# Allegro board 2522-mb-pro_vc.brd
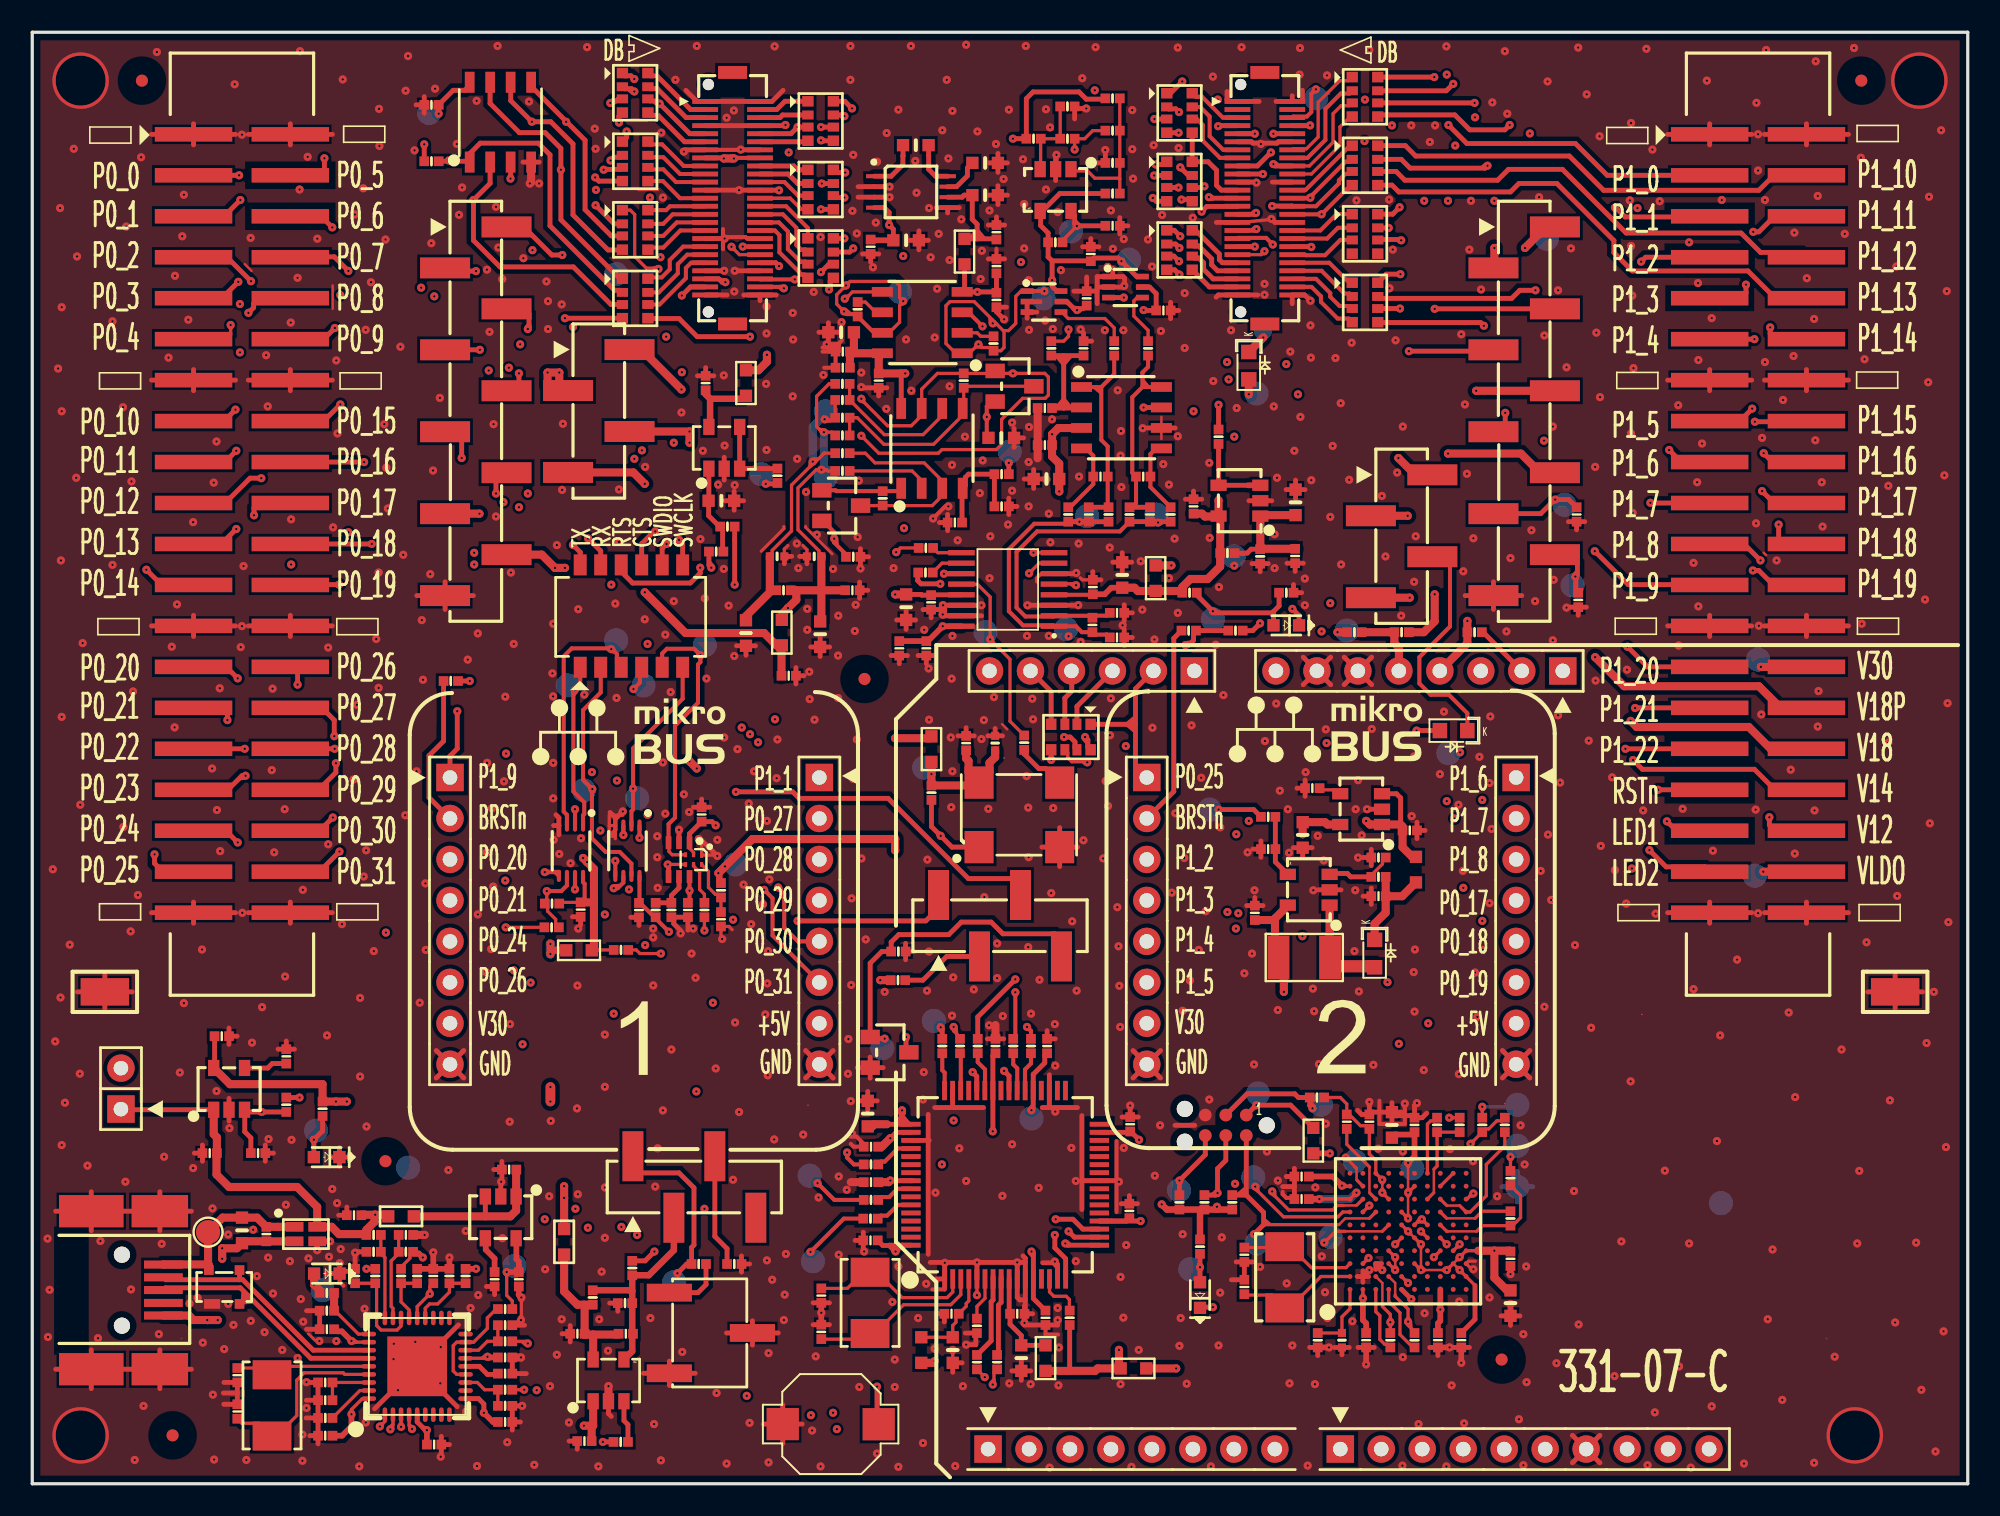
[diagram p0: board, top side]
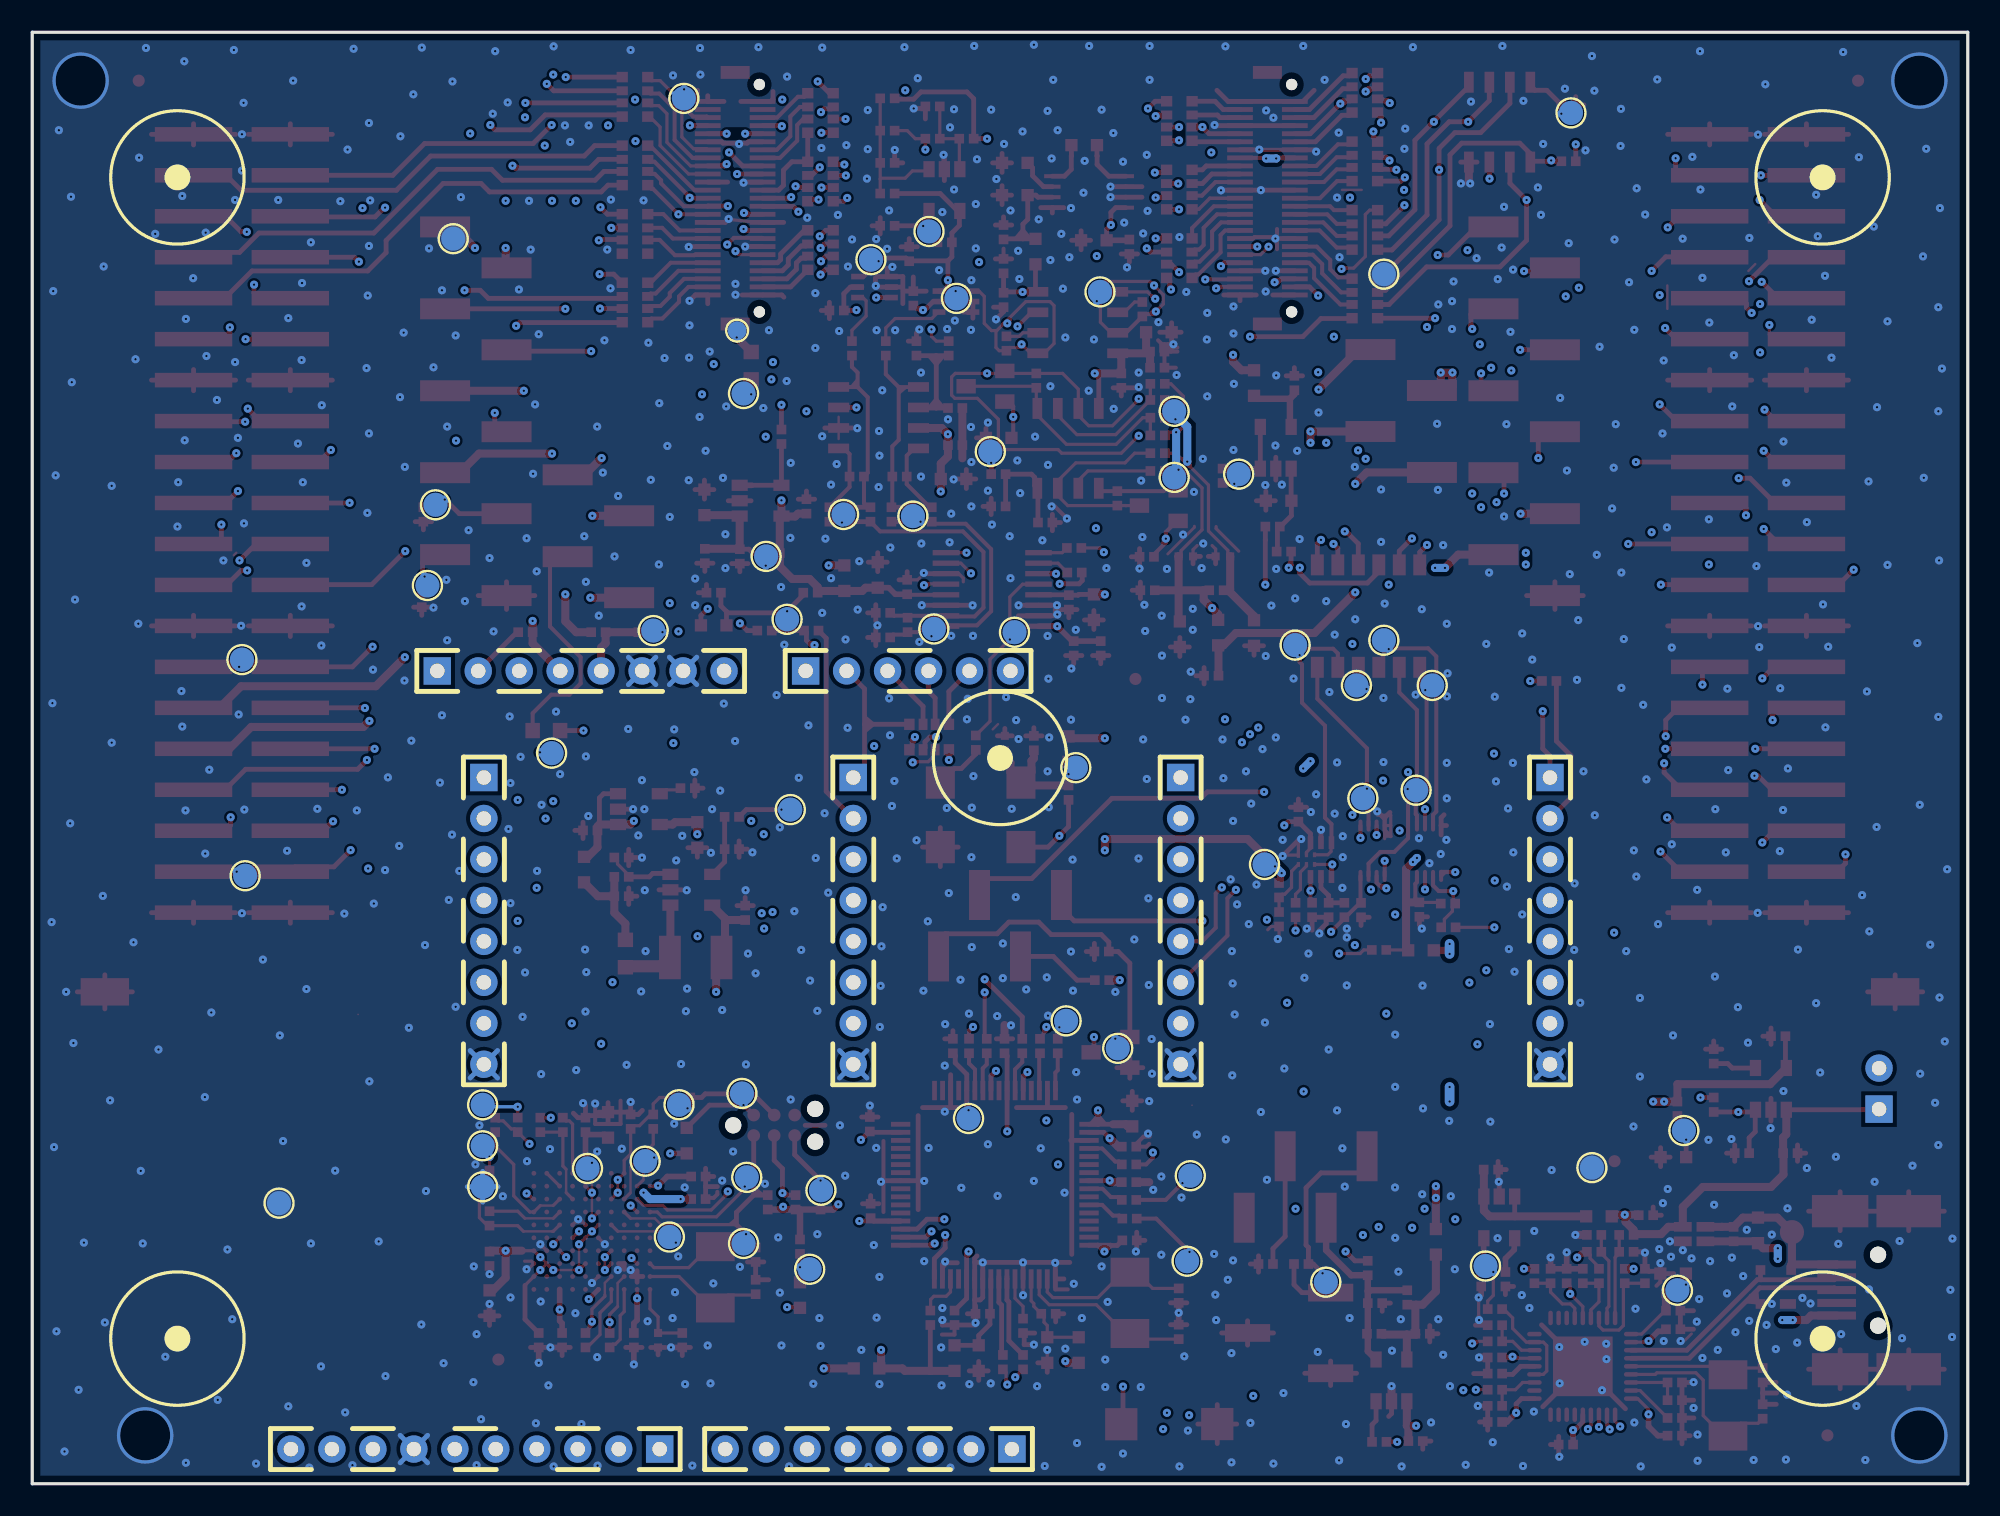
[diagram p1: board, bottom side, seen from below]

Outline 120 x 90 mm; copper layers: TOP, L2_INT1, L3_INT2, L4_INT3, L5_INT4, BOTTOM. Coordinates in mm from the lower left corner of the outline.
Outline path: 0,90 0,0 120,0 120,90 0,90

## Design rules (mm)
net group DFSDP: nets DFSDP USBDP_1
net group N17842748: nets N17842748 N17956873
net group PA4: nets N17073961 PA4 T_RESET

## Placement (name value [footprint] x y rotation side)
C1  100nF  [C1005]  41.75 68.25 270 top
C3  1.0nF  [C1005]  41.5 41.5 270 top
C4  100nF  [C1005]  40.65 35.58 90 top
C6  100nF  [C1005]  85.7 22.25 270 top
C7  100nF  [C1005]  78.7 19.05 0 top
C8  100nF  [C1005]  87.15 8.9 90 top
C9  100nF  [C1005]  82.7 8.9 90 top
C10  100nF  [C1005]  82.9 22.45 270 top
C11  100nF  [C1005]  88.6 8.9 90 top
C12  100nF  [C1005]  78.7 17.65 0 top
C13  100nF  [C1005]  91.65 13.95 90 top
C14  10uF  [C1608]  91.65 11.2 90 top
C15  10uF  [C1608]  84.3 22.25 270 top
C16  10nF  [C1005]  81.5 22.45 90 top
C17  18pF  [C1005]  75.15 12.2 90 top
C18  18pF  [C1005]  75.15 14.2 270 top
C19  10pF  [Z1005]  81.2 8.9 90 top
C20  1.0uF  [C1005]  34.23 2.65 180 top
C21  1.0uF  [C1005]  33.8 9.3 0 top
C22  100pF  [C1005]  68.88 62.45 180 top
C23  100nF  [C1005]  52.48 68.4 90 top
C24  10uF  [C1608]  50.15 71.4 180 top
C25  10pF  [Z1005]  46.18 57.5 0 top
C26  10uF  [C1608]  62.88 62.3 180 top
C27  100nF  [C1005]  62.78 64.4 0 top
C28  10pF  [Z1005]  48.48 57.5 0 top
C29  100pF  [C1005]  65.18 70.4 270 top
C30  100pF  [C1005]  66.23 62.45 0 top
C31  10uF  [C1608]  67.58 56.35 90 top
C32  100nF  [C1005]  65.75 55.6 270 top
C33  10uF  [C1608]  54.18 54.35 270 top
C34  100nF  [C1005]  55.73 54.65 90 top
C35  100pF  [C1005]  67.25 52.48 0 top
C36  10pF  [Z1005]  59.7 45.92 270 top
C37  1.0nF  [C1005]  65.73 53.25 90 top
C38  100nF  [C1005]  72 60.6 270 top
C39  100pF  [C1005]  67.25 54 180 top
C40  100nF  [C1005]  57.9 45.92 270 top
C41  100pF  [C1005]  78.3 57.52 90 top
C43  100nF  [C1005]  55.43 51.8 90 top
C44  4.7uF  [C1608]  78.33 60.85 90 top
C45  10uF  [C1608]  61.32 7.79 270 top
C46  100nF  [C1005]  61.07 10.54 180 top
C47  100nF  [C1005]  62.92 27.14 90 top
C48  100nF  [C1005]  62.82 10.29 90 top
C49  100nF  [C1005]  51.97 15.09 0 top
C50  100nF  [C1005]  59.72 27.14 90 top
C51  100nF  [C1005]  68.07 22.29 270 top
C52  100nF  [C1005]  68.02 16.91 270 top
C53  100nF  [C1005]  52 18.7 0 top
C54  10uF  [C1608]  57.07 8.29 270 top
C55  100nF  [C1005]  56.99 10.54 0 top
C56  100nF  [C1005]  19.95 16.65 180 top
C57  4.7uF  [C1608]  13.01 15.71 270 top
C58  100nF  [C1005]  29.32 6.83 180 top
C59  100nF  [C1005]  23.16 15.43 180 top
C60  100nF  [C1005]  52 20.9 0 top
C61  4.7uF  [C1608]  51.8 22.95 90 top
C62  100nF  [C1005]  14.52 15.48 270 top
C63  18pF  [C1005]  12.71 6.73 270 top
C64  18pF  [C1005]  12.71 4.48 90 top
C65  1.0uF  [C1005]  18.16 5.18 180 top
C66  100nF  [C1005]  18.16 6.28 180 top
C67  18pF  [C1005]  48.92 11.66 90 top
C68  100nF  [C1005]  18.16 2.98 180 top
C69  100nF  [C1005]  18.27 9.58 180 top
C70  100nF  [C1005]  24.86 12.88 90 top
C71  100nF  [C1005]  29.32 7.83 180 top
C72  100nF  [C1005]  29.32 3.83 180 top
C73  100nF  [C1005]  24.91 2.43 180 top
C74  18pF  [C1005]  48.92 9.41 90 top
C75  1.0uF  [C1005]  29.57 19.48 0 top
C76  22nF  [C1005]  28.66 12.68 90 top
C77  1.0uF  [C1005]  30.16 12.68 90 top
C78  22nF  [C1005]  15.75 26.5 270 top
C79  1.0uF  [C1005]  11 20.5 180 top
C80  1.0uF  [C1005]  11.75 27.75 180 top
C84  1.0nF  [C1005]  53.76 51.8 90 top
C85  1.0uF  [C1005]  75.8 35.4 270 top
C86  4.7uF  [C1608]  78.77 40.23 270 top
C87  1.0uF  [C1005]  85.41 40.51 180 top
C88  NP  [C1005]  79.36 43.13 180 top
C89  1.0uF  [C1005]  83.47 36.43 0 top
C91  100nF  [C1005]  70.13 72.75 180 top
C92  100nF  [C1005]  24.75 85.5 0 top
C93  100nF  [C1005]  50.25 69.2 0 top
C95  1.0uF  [C1005]  50.25 70.2 180 top
C96  100nF  [C1005]  65.38 73.5 270 top
C97  100nF  [C1005]  66.98 78 180 top
C98  10nF  [C1005]  65.63 76.25 90 top
C99  1.0nF  [C1005]  62.78 66.7 0 top
C102  100nF  [C1005]  95.75 60.1 90 top
C103  100nF  [C1005]  95.85 54.8 270 top
C104  NP  [C1005]  14 20.5 180 top
C105  100nF  [C1005]  76.62 39.35 0 top
C106  10uF  [C1608]  44.25 52.75 90 top
C107  1.0uF  [C1005]  59.78 75.5 90 top
C108  100nF  [C1005]  59.78 73.4 90 top
C109  4.7uF  [C1608]  54.78 83 0 top
C110  4.7uF  [C1608]  59.08 81.9 0 top
C111  10uF  [C1608]  59.08 79.9 0 top
C112  100nF  [C1005]  59.78 77.6 270 top
C113  10uF  [C1608]  54.18 77.1 0 top
C114  100nF  [C1005]  51.98 76.7 90 top
C115  10nF  [C1005]  36.8 9.3 0 top
C116  1.0nF  [C1005]  37.62 35.57 270 top
C117  100nF  [C1005]  34 35.6 90 top
C118  100nF  [C1005]  57.2 59.6 0 top
C119  NP  [C1005]  69.3 60.1 90 top
C120  NP  [C1005]  65.5 60.1 90 top
C121  1.0uF  [C1005]  46.9 50.1 0 top
C122  1.0uF  [C1005]  50.85 55.4 0 top
C123  NP  [C1005]  42.7 35 270 top
D1  Led_Blue  [LED1608]  77.75 53.23 180 top
D2  Led_Green  [LED1608]  72.4 11.7 90 top
D3  RB531SM-30  [SOD-523]  88.12 46.7 180 top
D4  Led_Green  [LED1608]  18.27 13.03 180 top
D5  Led_Green  [LED1608]  18.25 20.25 180 top
D7  PRTR5V0U2X,215  [SOT143]  11.9 12.2 0 top
D8  RB531SM-30  [SOD-523]  83.22 32.88 270 top
D9  NP  [SOD-523]  75.42 69.33 270 top
J1  10132797-055100LF  [10132797-05XX]  43.42 79.71 90 top
J2  10132797-055100LF  [10132797-05XX]  76.42 79.71 90 top
J3  -  [3020-40-0300-00]  13 59.5 270 top
J4  -  [3020-40-0300-00]  107 59.5 270 top
J5  87898-0455  [87898-04XX]  41.05 18.4 0 top
J6  NP  [HDR_254_1X02]  5.5 24.5 90 top
J7  TagConnect  [TC2030-IDC-NL]  74 22.23 180 top
J8  87898-0455  [87898-04XX]  60 34.6 0 top
J9  87898-0455  [87898-04XX]  35.12 66.52 270 top
J10  87898-0455  [87898-04XX]  84.9 58.75 270 top
J11  NP  [SCK_254_1X08]  86 50.4 180 top
J12  NP  [SCK_254_1X10]  92.53 2.15 0 top
J13  NP  [SCK_254_1X06]  65.7 50.4 180 top
J14  NP  [SCK_254_1X08]  68.15 2.15 0 top
J15  NP  [SCK_254_1X08]  25.9 34.9 270 top
J16  NP  [SCK_254_1X08]  48.8 34.9 270 top
J17  NP  [SCK_254_1X08]  69.1 34.9 270 top
J18  NP  [SCK_254_1X08]  92 34.9 270 top
J19  NP  [HDR_254_1X10_S]  27.5 66.5 270 top
J20  NP  [HDR_254_1X10_S]  92.5 66.5 270 top
JS1  SPC02SYAN  [JMP_254_S_K]  57.45 34.6 0 top
JS2  SPC02SYAN  [JMP_254_S_K]  62.55 34.6 0 top
JS3  SPC02SYAN  [JMP_254_S_K]  35.2 69.1 270 top
JS4  SPC02SYAN  [JMP_254_S_K]  35.1 64 270 top
JS5  SPC02SYAN  [JMP_254_S_KR]  41.05 18.43 180 top
JS6  SPC02SYAN  [JMP_254_S_K]  84.9 56.2 270 top
K1  -  [SKPMAPE010]  49.5 3.7 180 top
L1  SRF2012-900YA  [SRF2012]  16.96 15.48 0 top
L2  4.7uH  [L3225]  78.86 32.63 0 top
LP1  500mA_470 OHM  [L1608]  68.28 7.15 0 top
LP2  500mA_470 OHM  [L1608]  79.42 21.27 270 top
LP3  500mA_470 OHM  [L1608]  57.8 76.4 90 top
LP4  500mA_470 OHM  [L1608]  46.48 52.77 270 top
LP5  500mA_470 OHM  [L1608]  32.98 15 270 top
LP6  500mA_470 OHM  [L1608]  62.82 7.79 90 top
LP7  500mA_470 OHM  [L1608]  55.12 8.29 90 top
LP8  500mA_470 OHM  [L1608]  22.86 16.58 180 top
LP9  500mA_470 OHM  [L1608]  33.9 33.08 0 top
LP10  500mA_470 OHM  [L1608]  55.75 45.55 270 top
LP11  500mA_470 OHM  [L1608]  44.25 68.25 90 top
LP12  500mA_470 OHM  [L1608]  69.65 56.15 90 top
LP13  500mA_470 OHM  [L1608]  85.79 38.08 90 top
NOREF  -  []  0 90 0 top
NOREF#2  -  []  0 0 90 top
NOREF#3  -  []  12 14.5 0 top
Q1  FDV301N  [SOT95P237X112-3N]  50.16 60.65 270 top
Q2  FDV301N  [SOT95P237X112-3N]  60.9 68.05 270 top
Q3  FDV301N  [SOT95P237X112-3N]  53.15 26.75 270 top
R1  1.0 Mohm  [R1005]  36.5 33.1 0 top
R3  100.0k  [R1005]  42.4 57.8 0 top
R4  0  [R1005]  38.65 35.58 90 top
R7  1.00k  [R1005]  53.67 31.23 0 top
R8  150  [R1005]  87.1 22.25 90 top
R9  150  [R1005]  88.5 22.25 270 top
R10  10.0k  [R1005]  74.4 17.45 90 top
R11  10.0k  [R1005]  72.67 17.45 90 top
R12  10.0k  [R1005]  79.65 23.95 180 top
R13  100.0k  [R1005]  71.12 17.45 90 top
R14  150  [R1005]  91.65 16.45 90 top
R15  100  [R1005]  91.65 18.95 270 top
R16  150  [R1005]  91.3 22.25 270 top
R17  100  [R1005]  89.9 22.25 270 top
R18  330  [R1005]  72.4 14.7 270 top
R19  39  [R1005]  85.7 8.9 90 top
R20  39  [R1005]  84.2 8.9 90 top
R21  6.8k  [R1005]  79.7 8.9 270 top
R23  12.0k  [R1005]  34.75 11.55 90 top
R24  0  [R1005]  36.48 2.6 180 top
R25  9.53k  [R1005]  36.75 11.2 180 top
R26  4.75K  [R1005]  68.03 60.1 90 top
R27  4.75K  [R1005]  50.23 63.9 0 top
R28  2.37  [R1005]  46.58 55.4 180 top
R29  4.75K  [R1005]  69.18 70.4 90 top
R30  4.75K  [R1005]  50.23 62.8 0 top
R31  51  [R1005]  70.58 60.1 270 top
R33  20K  [R1005]  50.9 57.48 0 top
R34  51  [R1005]  64.23 60.1 270 top
R35  4.75K  [R1005]  66.73 60.1 90 top
R36  4.75K  [R1005]  67.08 70.4 90 top
R37  100.0k  [R1005]  41.67 35.58 90 top
R38  100.0k  [R1005]  42.7 36.8 270 top
R39  1.00k  [R1005]  55.41 58.02 0 top
R40  51  [R1005]  55.38 56.5 180 top
R44  51  [R1005]  61.5 45.95 90 top
R46  10.0k  [R1005]  29.32 10.83 180 top
R47  100.0k  [R1005]  21.16 15.43 0 top
R48  100.0k  [R1005]  23.16 14.38 180 top
R49  100.0k  [R1005]  29.32 9.83 0 top
R50  100.0k  [R1005]  29.32 4.83 0 top
R51  100.0k  [R1005]  21.16 14.38 180 top
R52  33  [R1005]  58.57 7.54 90 top
R53  33  [R1005]  59.82 7.54 90 top
R54  12.0k  [R1005]  18.16 4.08 180 top
R55  330  [R1005]  18.27 11.83 180 top
R56  100.0k  [R1005]  18.27 10.73 180 top
R57  12.0k  [R1005]  58.57 9.79 90 top
R58  10.0k  [R1005]  20.02 12.88 90 top
R59  NP  [R1005]  21.27 12.88 90 top
R60  10.0k  [R1005]  23.86 12.88 90 top
R61  51  [R1005]  61.92 27.14 90 top
R62  NP  [R1005]  22.86 12.88 90 top
R63  51  [R1005]  60.82 27.14 90 top
R64  NP  [R1005]  25.86 12.88 90 top
R65  1.00k  [R1005]  64.32 10.29 90 top
R66  10.0k  [R1005]  26.86 12.88 90 top
R67  51  [R1005]  58.62 27.14 90 top
R68  51  [R1005]  52 19.8 180 top
R70  330  [R1005]  18 23.25 90 top
R71  10.0k  [R1005]  15.75 23.5 90 top
R72  33  [R1005]  46.2 62.5 90 top
R77  NP  [R1005]  55.75 42.85 270 top
R78  10.0k  [R1005]  74.1 57.7 0 top
R79  33  [R1005]  73.55 64.92 270 top
R80  10.0k  [R1005]  76.13 57.5 270 top
R81  NP  [R1005]  57.52 27.14 90 top
R82  51  [R1005]  56.42 27.14 90 top
R83  38.3k  [R1005]  83.47 37.63 0 top
R84  10.0k  [R1005]  83.47 38.83 180 top
R85  0  [R1005]  76.62 41.35 0 top
R92  NP  [R1005]  24.75 82 180 top
R93  8.06k  [R1005]  43.52 13.62 180 top
R95  0  [R1005]  63.18 70.4 90 top
R109  4.75K  [R1005]  50.23 66.1 0 top
R111  4.75K  [R1005]  50.23 68.2 0 top
R112  Mohm: 10M  [R1608]  60.08 64.85 0 top
R114  51  [R1005]  51.97 16.44 180 top
R115  Mohm: 1.0M  [R1005]  66.98 81.9 0 top
R116  Mohm: 1.0M  [R1005]  66.98 80 180 top
R117  100.0k  [R1005]  66.98 83.9 0 top
R118  10.0k  [R1005]  63.43 76.97 180 top
R119  100.0k  [R1005]  62.08 83.4 0 top
R120  100.0k  [R1005]  53.7 33 0 top
R121  3.9k  [R1005]  41.33 13.62 0 top
R124  NP  [R1005]  29.32 5.83 0 top
R127  100.0k  [TRIM_84W]  42 9.35 0 top
R129  1.00k  [R1005]  29.32 8.83 0 top
R135  1.00k  [R1005]  71.75 55.25 180 top
R136  NP  [R1005]  77.75 55.25 180 top
R137  NP  [R1005]  64.18 83.4 180 top
R138  NP  [R1005]  66.98 85.9 180 top
R139  NP  [R1005]  64.18 85.4 180 top
R141  NP  [R1005]  50.23 65 0 top
R142  NP  [R1005]  50.23 67.2 0 top
R143  0  [R1005]  89.42 52.8 180 top
R144  0  [R1005]  74.6 52.9 0 top
R145  0  [R1005]  25.95 49.77 180 top
R146  0  [R1005]  71.7 52.9 180 top
R147  NP  [R1005]  43.1 59.35 180 top
R148  NP  [R1608]  42.73 60.95 0 top
R149  NP  [R1005]  39.62 35.58 270 top
R150  NP  [R1005]  60.1 60.6 0 top
R151  0  [R1005]  60.1 62.6 0 top
R152  51  [R1005]  52 17.6 180 top
R305  0  [R1005]  84.9 52.8 180 top
R306  174K  [R1608]  48.85 52.67 270 top
R307  NP  [R1005]  81.97 52.8 0 top
R308  1.00k  [R1005]  32.2 34.5 0 top
R309  NP  [R1005]  32.23 35.98 180 top
R310  NP  [R1005]  52.73 61.1 90 top
R311  NP  [R1005]  57.75 68.4 90 top
R312  0  [R1005]  51.17 72.83 270 top
R313  0  [R1005]  59.6 70.7 270 top
R314  NP  [R1005]  37.2 13.38 90 top
RN1  33  [RN_MNR14]  37.38 86.25 270 top
RN2  33  [RN_MNR14]  37.38 82 270 top
RN3  33  [RN_MNR14]  48.88 84.5 270 top
RN4  33  [RN_MNR14]  48.88 80.25 270 top
RN5  33  [RN_MNR14]  71.13 85 270 top
RN6  33  [RN_MNR14]  71.13 76.5 270 top
RN7  33  [RN_MNR14]  82.63 86 270 top
RN8  33  [RN_MNR14]  82.63 81.75 270 top
RN9  33  [RN_MNR14]  71.13 80.75 270 top
RN10  33  [RN_MNR14]  37.38 77.75 270 top
RN11  33  [RN_MNR14]  48.88 76 270 top
RN12  33  [RN_MNR14]  82.63 77.5 270 top
RN13  33  [RN_MNR14]  37.38 73.5 270 top
RN14  33  [RN_MNR14]  64.4 46.3 180 top
RN15  33  [RN_MNR14]  82.63 73.25 270 top
S1  97C06SRT  [SW_DIP_97C06SRT]  37.15 53.8 0 top
T1  SJ61A1  [3M_SJ61A1]  9 81 180 bottom
T2  SJ61A1  [3M_SJ61A1]  111 81 180 bottom
T3  SJ61A1  [3M_SJ61A1]  111 9 180 bottom
T4  SJ61A1  [3M_SJ61A1]  9 9 180 bottom
T5  SJ61A1  [3M_SJ61A1]  60 45 180 bottom
TP1  VDD_CR  [TP_BOT_SM]  85.58 19.55 180 bottom
TP2  T_RESET  [TP_BOT_SM]  87.8 45.3 180 bottom
TP3  sERASE  [TP_BOT_SM]  80.5 15.3 180 bottom
TP4  sVCC  [TP_BOT_SM]  76 24.2 180 bottom
TP5  sRST  [TP_BOT_SM]  79.9 23.5 180 bottom
TP6  sDIO  [TP_BOT_SM]  75.9 14.9 180 bottom
TP7  sCLK  [TP_BOT_SM]  75.7 19 180 bottom
TP8  sTDI  [TP_BOT_SM]  82 20 180 bottom
TP9  DBLED  [TP_BOT_SM]  71.8 13.3 180 bottom
TP10  sTDO  [TP_BOT_SM]  71.1 18.2 180 bottom
TP11  VFB  [TP_BOT_SM]  39.8 12.5 180 bottom
TP12  VBAT  [TP_BOT_SM]  106.8 37.7 180 bottom
TP13  VINN  [TP_BOT_SM]  69.7 60.1 180 bottom
TP14  VINP  [TP_BOT_SM]  65.4 60 180 bottom
TP15  5.0VA  [TP_BOT_SM]  64.4 77.65 180 bottom
TP16  VREF  [TP_BOT_SM]  64.1 53 180 bottom
TP17  27MHz  [TP_BOT_SM]  59.1 52.8 180 bottom
TP18  VREG  [TP_BOT_SM]  61.95 22.65 180 bottom
TP19  VBUS2  [TP_BOT_SM]  81.5 52.9 180 bottom
TP20  PWR_EN  [TP_BOT_SM]  73 41.8 180 bottom
TP23  +3V3  [TP_BOT_SM]  29.9 13.5 180 bottom
TP24  GND  [TP_BOT_SM]  23.3 19.6 180 bottom
TP25  GND  [TP_BOT_SM]  104.7 17.4 180 bottom
TP26  GND  [TP_BOT_SM]  93.9 77.2 180 bottom
TP27  GND  [TP_BOT_SM]  36.2 75 180 bottom
TP28  TP_RCW-0C  [TP3216]  4.5 30.5 0 top
TP29  TP_RCW-0C  [TP3216]  115.5 30.5 0 top
TP30  RSTn  [TP_BOT_SM]  79.6 85.9 180 bottom
TP31  V12  [TP_BOT_SM]  95.5 55.7 180 bottom
TP32  V14  [TP_BOT_SM]  95 60.7 180 bottom
TP36  USBLED  [TP_BOT_SM]  18 12 180 bottom
TP37  6.0V  [TP_BOT_SM]  75.9 67.6 180 bottom
TP38  3.3V  [TP_BOT_SM]  43.6 38.4 180 bottom
TP39  5.0V  [TP_BOT_SM]  74.5 57.5 180 bottom
TP40  3.3VA  [TP_BOT_SM]  55.3 44.4 180 bottom
TP41  PWRLED  [TP_BOT_SM]  17.6 21.9 180 bottom
TP42  VOUT  [TP_BOT_SM]  53.8 73.9 180 bottom
TP44  VDDIO  [TP_BOT_SM]  45.2 62.6 180 bottom
TP45  FIDUCIAL  [FID_750]  6.8 87 0 top
TP46  FIDUCIAL  [FID_750]  91.1 7.7 0 top
TP47  FIDUCIAL  [FID_750]  51.6 49.9 0 top
TP48  UTX  [TP_BOT_SM]  33.2 49.5 180 bottom
TP49  SWDIO  [TP_BOT_SM]  41.7 52 180 bottom
TP50  URX  [TP_BOT_SM]  34.2 43 180 bottom
TP51  URTS  [TP_BOT_SM]  36.2 52.3 180 bottom
TP52  UCTS  [TP_BOT_SM]  37.9 49.5 180 bottom
TP54  SWCLK  [TP_BOT_SM]  37.5 42.5 180 bottom
TP56  C_TRIG  [TP_BOT_SM]  52.7 27 180 bottom
TP57  V30  [TP_BOT_SM]  107 51.1 180 bottom
TP58  OSC_EN  [TP_BOT_SM]  55.9 28.7 180 bottom
TP59  BCBUS7  [TP_BOT_SM]  48.4 13.8 180 bottom
TP60  VOUT2  [TP_BOT_SM]  62.7 73.5 180 bottom
TP61  SEL  [TP_BOT_SM]  68 75.9 180 bottom
TP62  VS+  [TP_BOT_SM]  49.2 66.5 180 bottom
TP63  VS-  [TP_BOT_SM]  49.2 62.4 180 bottom
TP64  BCBUS5  [TP_BOT_SM]  48.2 19.1 180 bottom
TP65  -  [ESD_WARNING_LABEL]  99.8 29.1 0 top
TP66  VLED  [TP_1150U]  76.3 71.5 180 bottom
TP67  MikroBUS_LOGO  [MIKROBUS]  37.3 34.9 0 top
TP68  MikroBUS_LOGO  [MIKROBUS]  80.5 35 0 top
TP69  BLED  [TP_BOT_SM]  73.2 53.6 180 bottom
TP70  -Vgg  [TP_BOT_SM]  60.6 64 180 bottom
TP71  FIDUCIAL  [FID_750]  113.4 87 0 top
TP72  FIDUCIAL  [FID_750]  8.7 3 0 top
TP73  FIDUCIAL  [FID_750]  21.9 20 0 top
TP74  VBUS1  [TP_BOT_SM]  10.9 15.6 0 top
TP75  V18R  [TP_BOT_SM]  24.6 85 180 bottom
TP76  SWDIO  [TP_BOT_SM]  92.08 20.95 180 bottom
TP77  SWCLK  [TP_BOT_SM]  92.08 23.5 180 bottom
TP78  GND  [TP_BOT_SM]  92.08 18.41 180 bottom
U1  LMV321AS5X  [SOT95P280X110-5N]  42.95 64.25 90 top
U2  NP.APS6404L-SQ-SN  [SOIC127P600X175-8N]  29.02 84.42 90 top
U3  LSF0101DRYR  [SON50P150X105X60-6N]  41 38.7 270 top
U4  ATSAM3U2CA-CU  [TFBGA100]  85.3 15.65 90 top
U5  AP2127K-ADJTRG1  [SOT95P280X145-5N]  35.77 6.42 90 top
U6  AD8572ARZ-REEL7  [SOIC127P600X175-8N]  55.78 64.2 90 top
U7  THS4521ID  [SOIC127P600X175-8N]  67.53 66.1 0 top
U8  ADS1271IPWR  [SOP65P640X120-16N]  60.48 55.45 180 top
U9  AD8572ARZ-REEL7  [SOIC127P600X175-8N]  55.18 72 180 top
U10  LMV321AS5X  [SOT95P280X110-5N]  74.83 61 180 top
U11  USB2512B-AEZG  [QFN50P600X600X100-37N]  23.86 7.28 90 top
U12  FT2232HL  [QFP50P1200X1200X160-64N]  60.32 18.54 90 top
U13  RT9193-33GB  [SOT95P280X110-5N]  29 16.5 270 top
U14  RT9193-33GB  [SOT95P280X110-5N]  12.25 24.5 90 top
U15  NC7SB3157P6X  [SOT65P210X110-6N]  67.78 74.2 0 top
U16  NC7SB3157P6X  [SOT65P210X110-6N]  62.73 73.3 0 top
U17  MIC5205-5.0YM5-TR  [SOT95P280X110-5N]  82.38 41.88 180 top
U18  AP3012KTR-G1  [SOT95P280X145-5N]  79.12 36.88 180 top
U19  AP331AWRG-7  [SOT95P280X145-5N]  63.4 80.2 270 top
U20  LM7705MM_NOPB  [8VSSOP]  54.48 80.1 0 top
U21  NP.TXB0101  [SOT65P210X110-6N]  40.1 38.7 270 top
U22  NC7NZ34K8X  [SOP50P310X90-8N]  36.9 39.25 270 top
U23  NC7NZ34K8X  [SOP50P310X90-8N]  33.4 39.25 270 top
USB1  67503-1020  [USB_67503-1020]  5.5 12 180 top
Y1  12.0000MHZ  [XTAL_5X3]  77.65 12.8 90 top
Y2  27MHZ-3.3V  [XT_OSC_7X5]  58.7 39.48 0 top
Y3  24.0000MHZ  [XTAL_5X3]  14.87 4.86 270 top
Y4  12.0000MHZ  [XTAL_5X3]  51.95 11.21 270 top
